# Altium PCB Dashcam.PcbDoc (part 5 of 6) (continued)
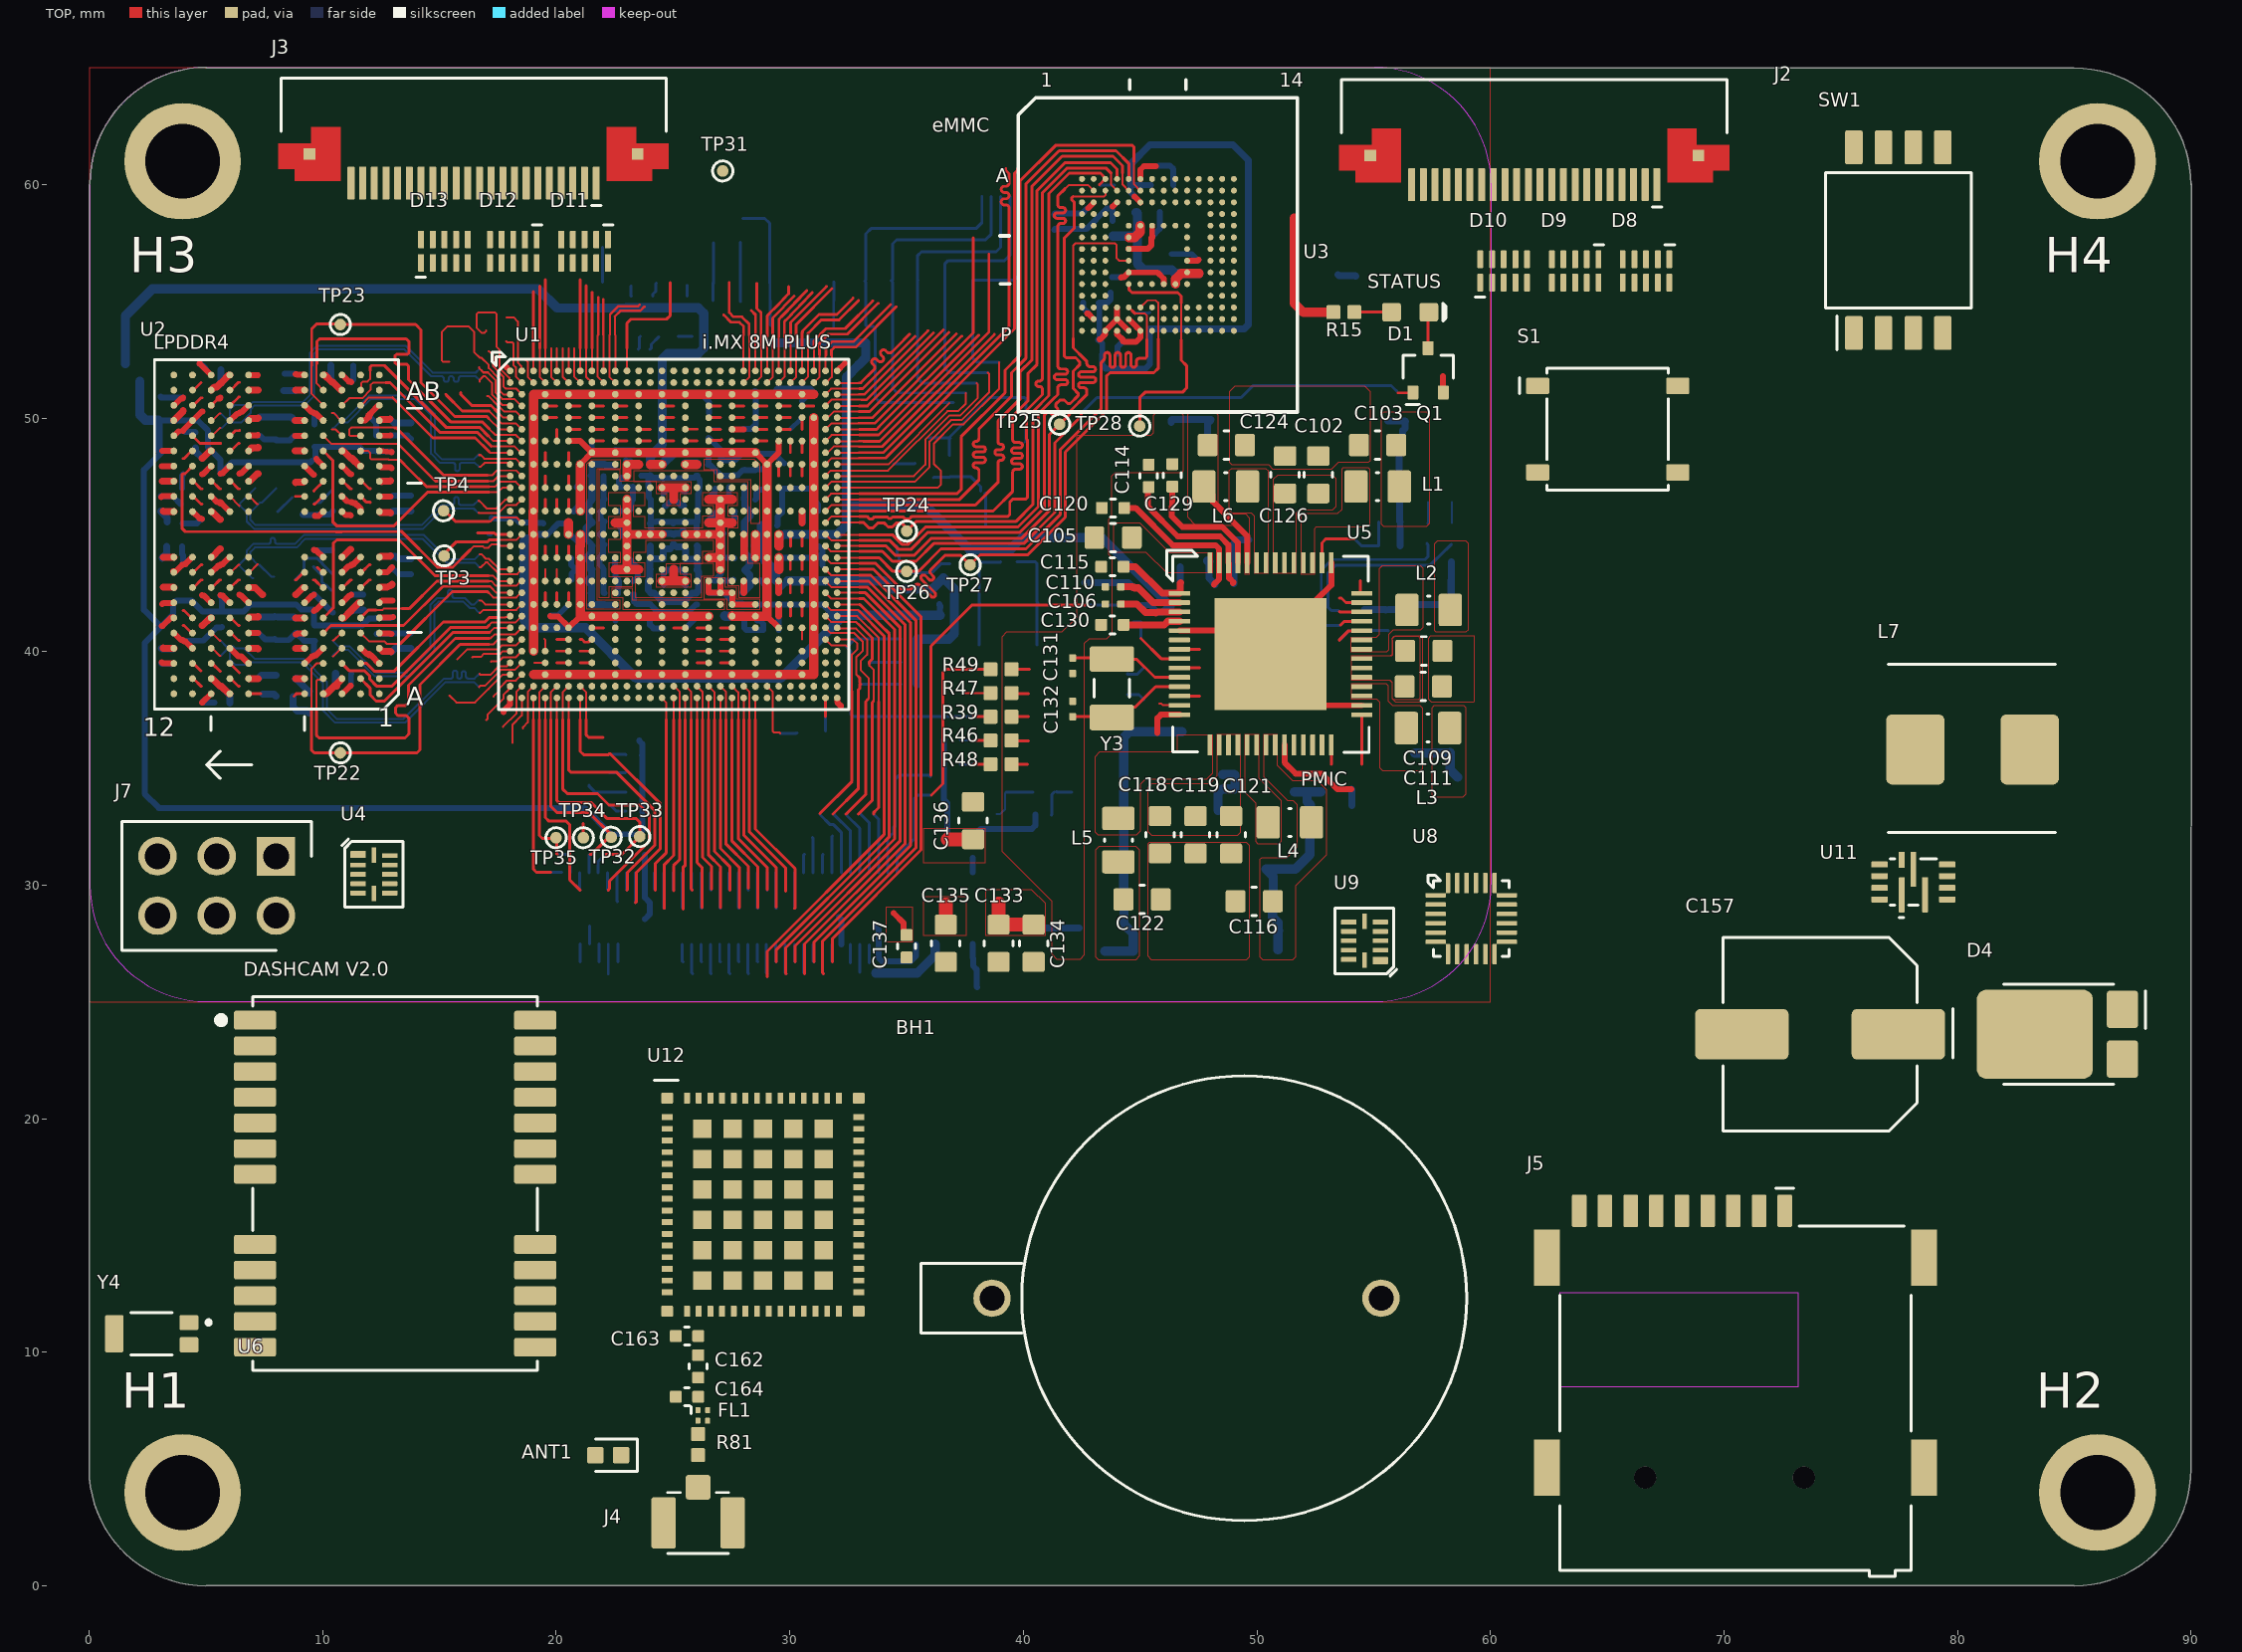
[diagram p0: TOP view]
## Nets (pads, with @x,y where several pads share a name; then routed paths per layer and width w, separated by ;. In a path a pad name is that pad's centre, name@x,y a point inside that pad or via, vN(x,y) a via of type N, cw(c..) or ccw(c..) an arc to the next point about the centre after c; other vN are vias at no path point) (continued)
  TOP w0.127: 4.428,38.85 4.465,38.85 4.799,38.516 4.812,38.516 ; 4.428,39.5 4.465,39.5 4.786,39.179 ; 4.465,51.2 4.786,51.521 ; 5.228,39.5 5.272,39.5 5.597,39.175 5.628,39.175 ; 5.238,50.55 5.534,50.846 ; 6.828,38.2 7.338,38.2 ; 8.772,38.104 8.868,38.2 9.228,38.2 ; 11.628,46.65 11.877,46.4 12.026,46.4 12.04,46.387 ; 31.293,33.077 32.664,34.449 32.664,38.312
  TOP w0.254: 3.085,46.619 3.123,46.657 3.621,46.657 3.628,46.65 ; 3.11,39.557 3.11,39.548 3.155,39.503 3.625,39.503 3.628,39.5 ; 3.11,41.107 3.151,41.107 3.507,41.462 3.593,41.462 ; 3.109,47.94 3.114,47.945 3.623,47.945 3.628,47.95 ; 3.135,42.047 3.181,42.093 3.621,42.093 3.628,42.1 ; 3.136,48.6 3.628,48.6 ; 3.593,43.444 3.705,43.444 3.987,43.725 4.028,43.725 4.057,43.754 4.122,43.754 4.418,44.05 4.428,44.05 ; 3.628,40.8 3.638,40.8 3.934,40.504 3.999,40.504 4.028,40.475 4.057,40.446 4.122,40.446 4.418,40.15 4.428,40.15 ; 3.628,49.25 3.638,49.25 3.822,49.434 ; 3.628,50.55 3.638,50.55 3.934,50.846 3.999,50.846 4.028,50.875 ; 4.024,49.463 4.024,49.486 4.428,49.89 4.428,49.9 4.438,49.9 4.83,50.292 4.859,50.292 ; 4.428,46 4.438,46 4.734,45.704 4.799,45.704 4.828,45.675 ; 4.724,52.33 4.737,52.33 5.217,51.85 5.228,51.85 ; 4.828,42.425 4.857,42.396 4.921,42.396 5.217,42.1 5.228,42.1 ; 4.828,47.594 4.861,47.594 5.217,47.95 5.228,47.95 ; 4.837,37.83 4.848,37.83 5.217,38.2 5.228,38.2 ; 5.228,43.4 5.238,43.4 5.517,43.679 5.599,43.679 5.628,43.708 ; 5.228,46.65 5.238,46.65 5.485,46.403 5.618,46.403 5.647,46.374 ; 5.228,50.55 5.238,50.55 ; 5.534,50.846 5.599,50.846 5.628,50.875 ; 5.613,46.34 5.685,46.34 6.024,46 6.028,46 ; 5.628,42.425 5.657,42.396 5.722,42.396 6.017,42.1 6.028,42.1 ; 5.628,43.725 5.657,43.754 5.722,43.754 6.018,44.05 6.028,44.05 ; 5.628,47.625 5.657,47.654 5.722,47.654 6.017,47.95 6.028,47.95 ; 6.028,40.15 6.038,40.15 6.393,39.796 6.428,39.796 ; 6.028,49.9 6.038,49.9 6.328,50.19 6.395,50.19 6.424,50.219 ; 6.428,42.443 6.457,42.414 6.504,42.414 6.818,42.1 6.828,42.1 ; 6.428,47.625 6.457,47.654 6.522,47.654 6.818,47.95 6.828,47.95 ; 6.428,50.225 6.457,50.254 6.522,50.254 6.818,50.55 6.828,50.55 ; 6.457,39.796 6.522,39.796 6.818,39.5 6.828,39.5 ; 6.828,40.8 6.831,40.803 7.231,40.803 7.234,40.807 ; 6.828,49.25 6.835,49.257 7.204,49.257 7.228,49.281 ; 6.828,51.85 7.228,51.85 ; 8.81,49.25 9.228,49.25 ; 8.828,40.736 8.869,40.736 8.926,40.793 9.22,40.793 9.228,40.8 ; 8.828,51.892 8.869,51.892 8.903,51.857 9.22,51.857 9.228,51.85 ; 9.228,39.5 9.238,39.5 9.538,39.8 9.597,39.8 9.627,39.829 ; 9.228,42.1 9.238,42.1 9.552,42.414 9.599,42.414 9.628,42.443 ; 9.228,47.95 9.238,47.95 9.614,47.574 9.626,47.574 ; 9.228,50.55 9.238,50.55 9.534,50.254 9.599,50.254 9.628,50.225 9.657,50.196 9.722,50.196 10.018,49.9 10.028,49.9 ; 9.628,39.825 9.657,39.854 9.722,39.854 10.018,40.15 10.028,40.15 ; 9.628,41.752 9.657,41.781 9.699,41.781 10.018,42.1 10.028,42.1 ; 9.628,44.368 9.657,44.339 9.728,44.339 10.018,44.05 10.028,44.05 ; 9.662,45.824 9.677,45.809 9.827,45.809 10.017,46 10.028,46 ; 9.727,48.265 9.727,48.258 10.028,47.957 10.028,47.95 ; 10.82,46.666 10.822,46.666 11.043,46.446 ; 10.828,38.2 10.838,38.2 11.18,38.541 11.213,38.541 ; 10.828,42.1 10.838,42.1 11.152,42.414 11.199,42.414 11.228,42.443 ; 10.828,43.4 10.838,43.4 11.109,43.67 11.199,43.67 11.228,43.699 ; 10.828,46 10.838,46 10.984,45.854 11.188,45.854 11.21,45.832 ; 10.828,47.95 10.838,47.95 11.194,47.594 11.227,47.594 ; 10.828,51.85 10.838,51.85 11.123,51.565 11.199,51.565 11.228,51.536 ; 11.202,46.417 11.243,46.417 11.299,46.361 11.389,46.361 11.473,46.277 11.484,46.277 11.633,46.128 11.633,46.031 ; 11.228,43.725 11.257,43.754 11.322,43.754 11.618,44.05 11.628,44.05 ; 11.628,40.15 11.638,40.15 11.887,39.901 12,39.901 12.029,39.872 ; 11.628,49.9 11.635,49.907 11.825,49.907 11.959,50.042 12,50.042 ; 11.941,50.1 12.012,50.171 12.054,50.171 ; 11.999,39.854 12.059,39.854 12.432,39.481 ; 12.069,50.225 12.411,50.567 ; 12.428,40.8 12.435,40.793 12.865,40.793 12.903,40.754 12.944,40.754 ; 12.428,42.1 12.438,42.1 12.537,42.199 12.981,42.199 12.991,42.189 ; 12.428,43.4 12.435,43.407 12.761,43.407 12.965,43.611 ; 12.428,48.6 12.94,48.549 12.943,48.552 12.943,48.564 ; 12.428,49.25 12.43,49.253 12.895,49.253 12.897,49.255 ; 12.457,46.644 12.904,46.644 12.914,46.634 ; 12.457,47.939 12.504,47.892 12.906,47.892 12.94,47.858
  TOP w0.3: 3.135,47.304 3.624,47.304 3.628,47.3 ; 3.161,40.167 3.178,40.15 3.628,40.15 ; 3.161,42.758 3.62,42.758 3.628,42.75 ; 3.161,44.048 3.626,44.048 3.628,44.05 ; 3.161,46.034 3.195,46 3.628,46 ; 3.628,49.9 3.628,49.903 4.032,50.307 4.032,50.335 ; 4.828,41.125 4.856,41.125 5.181,41.45 5.228,41.45 ; 4.828,48.285 4.856,48.285 5.172,48.6 5.228,48.6 ; 5.228,38.85 5.274,38.85 5.599,38.525 5.628,38.525 ; 5.228,44.05 5.25,44.05 5.599,44.399 5.628,44.399 ; 5.228,46 5.262,46 5.599,45.664 5.628,45.664 ; 5.228,51.2 5.356,51.328 5.46,51.328 5.628,51.496 5.657,51.496 ; 5.65,38.516 5.665,38.516 5.981,38.2 6.028,38.2 ; 5.656,51.525 5.981,51.85 6.028,51.85 ; 6.828,38.85 7.228,38.85 ; 6.828,40.15 6.842,40.136 7.207,40.136 7.228,40.116 ; 6.828,41.45 6.856,41.478 7.208,41.478 7.228,41.498 ; 6.828,42.75 7.107,42.75 7.406,42.451 7.435,42.451 ; 6.828,47.3 6.874,47.3 7.199,47.625 7.228,47.625 ; 6.828,48.6 6.95,48.722 7.208,48.722 7.228,48.742 ; 6.828,49.9 6.914,49.986 7.225,49.986 7.246,50.006 ; 6.828,51.2 7.228,51.2 ; 8.81,48.6 9.228,48.6 ; 8.81,49.9 9.228,49.9 ; 8.828,38.85 9.228,38.85 ; 8.828,40.15 9.228,40.15 ; 8.828,41.452 8.83,41.45 9.228,41.45 ; 8.828,47.238 8.848,47.259 9.186,47.259 9.228,47.3 ; 8.828,51.2 9.228,51.2 ; 8.83,42.454 8.859,42.454 9.155,42.75 9.228,42.75 ; 10.028,38.2 10.167,38.2 10.523,38.556 10.552,38.556 ; 10.028,51.85 10.085,51.85 10.399,51.536 10.428,51.536 ; 10.428,51.525 10.456,51.525 10.781,51.2 10.828,51.2 ; 10.601,38.536 10.578,38.559 10.578,38.6 10.828,38.85 ; 10.828,41.45 10.897,41.45 11.199,41.752 11.228,41.752 ; 10.828,44.05 10.838,44.05 11.178,44.39 11.207,44.39 ; 10.828,48.6 10.884,48.6 11.199,48.285 11.227,48.285 ; 11.228,41.775 11.553,42.1 11.628,42.1 ; 11.228,48.275 11.256,48.275 11.581,47.95 11.628,47.95 ; 12.428,40.15 12.558,40.02 12.911,40.02 12.932,39.999 ; 12.428,42.75 12.441,42.763 12.729,42.763 12.965,42.87 12.965,42.9 ; 12.428,44.05 12.472,44.094 12.887,44.094 12.908,44.114 ; 12.428,46 12.465,45.963 12.894,45.963 12.914,45.943 ; 12.433,49.895 12.484,49.946 12.869,49.946 12.889,49.967 ; 12.513,47.284 12.534,47.305 12.894,47.305 12.914,47.325
  BOTTOM w0.127: 19.814,30.562 20.225,30.562 20.228,30.565 ; 20.041,31.332 20.049,31.324 20.526,31.324 20.6,31.249 20.6,30.54 ; 21,30.54 21,29.833 21.034,29.8 ; 21.034,26.72 21.034,27.479 ; 21.4,30.54 21.4,31.284 21.44,31.324 ; 21.422,27.491 21.422,28.25 ; 21.8,30.54 21.8,31.023 22.1,31.324 22.126,31.324 ; 21.834,26.72 21.834,27.479 ; 25,30.54 25,29.827 25.027,29.8 ; 25.4,27.46 25.4,26.747 25.427,26.72 ; 25.4,30.54 25.4,29.04 25.428,29.012 ; 25.8,27.46 25.8,26.253 25.834,26.218 ; 25.8,30.54 25.8,29.827 25.827,29.8 ; 26.2,27.46 26.2,26.747 26.227,26.72 ; 26.2,30.54 26.2,29.04 26.228,29.012 ; 26.6,27.46 26.6,26.253 26.634,26.218 ; 26.6,30.54 26.6,29.827 26.627,29.8 ; 27,27.46 27,26.747 27.027,26.72 ; 27,30.54 27,29.04 27.028,29.012 ; 27.4,27.46 27.4,26.253 27.434,26.218 ; 27.4,30.54 27.4,29.827 27.427,29.8 ; 27.8,27.46 27.8,26.747 27.827,26.72 ; 27.8,30.54 27.8,29.04 27.828,29.012 ; 28.2,27.46 28.2,26.253 28.234,26.218 ; 28.2,30.54 28.2,29.827 28.227,29.8 ; 29.593,36.505 30.279,36.505 30.305,36.531 ; 30.964,32.054 30.995,32.023 30.995,30.545 31,30.54 ; 31,27.46 31,26.747 31.027,26.72 ; 31.293,33.026 31.725,32.595 31.877,32.595 32.2,32.272 32.2,30.54 ; 31.4,27.46 31.4,26.253 31.434,26.218 ; 31.4,30.54 31.4,31.302 31.428,31.33 ; 31.8,27.46 31.8,26.747 31.827,26.72 ; 31.8,30.54 31.8,32.09 31.828,32.118 ; 31.902,33.052 31.902,33.02 32.6,32.322 32.6,30.54 ; 32.448,33.052 32.448,32.989 33,32.438 33,30.54 ; 32.588,26.676 32.594,26.682 32.594,27.454 32.6,27.46 ; 33,26.27 33,27.46 ; 33.026,33.052 33.401,32.677 33.401,30.541 33.4,30.54 ; 33.394,26.682 33.394,27.454 ; 33.604,33.052 33.604,33.034 33.8,32.838 33.8,30.54 ; 34.6,30.54 34.595,30.545 34.595,31.248 35.331,31.985 35.331,33.712 35.484,33.865 36.017,33.865
  BOTTOM w0.254: 32.106,28.632 32.2,28.538 32.2,27.46 ; 33.655,28.251 33.8,28.106 33.8,27.46 33.8,26.905 33.952,26.753 35.179,26.753 35.4,26.974 35.4,27.46 ; 37.828,27.485 37.828,26.898 37.846,26.88 37.846,26.549 38,26.395 38,25.659 38.024,25.635 ; 37.83,30.553 37.83,31.175 37.832,31.178
  BOTTOM w0.4: 33.68,26.245 33.719,26.245 35.462,26.245 36.228,27.011 36.228,27.485

## Polygon pours and split planes (outlines as drawn)
GND on TOP "NONET_L-01_P-001" (solid, remove dead copper, shelved, pour order 106): 0,25 60,25 60,65 0,65
VDDA_1V8 on TOP "NONET_L-01_P-001" (solid, remove dead copper, shelved, pour order 49): 26.317,48.24 26.317,47.808 26.876,47.808 26.876,47.377 28.323,47.377 28.323,45.497 28.73,45.497 28.73,48.012 28.501,48.24
VDDA_1V8 on TOP "NONET_L-01_P-001" (solid, shelved, pour order 48): 26.317,43.16 26.317,42.271 27.307,42.271 27.307,41.814 28.73,41.814 28.73,42.246 27.714,42.246 27.714,42.754 27.231,42.754 27.231,43.16
VDD_1V8 on TOP "NONET_L-01_P-001" (solid, remove dead copper, shelved, pour order 47): 22.38,42.703 22.38,42.322 22.837,42.322 22.837,41.814 27.206,41.814 27.206,42.195 23.269,42.195 23.269,42.703
NVCC_DRAM_1V1 on TOP "NONET_L-01_P-001" (solid, remove dead copper, shelved, pour order 46): 22.735,48.24 22.735,47.834 21.745,47.834 21.745,42.22 22.71,42.22 22.71,41.814 21.313,41.814 21.313,48.037 21.516,48.24
VDD_ARM on TOP "NONET_L-01_P-001" (solid, remove dead copper, shelved, pour order 45): 23.294,44.252 23.294,43.821 23.777,43.821 23.777,43.211 23.37,43.211 23.37,42.322 26.241,42.322 26.241,43.236 26.749,43.236 26.749,43.77 25.301,43.77 25.301,43.338 25.758,43.338 25.758,42.754 24.285,42.754 24.285,43.338 24.717,43.338 24.717,43.77 26.266,43.77 26.266,44.303 26.749,44.303 26.749,44.76 23.828,44.76 23.828,44.252
VDD_SOC on TOP "NONET_L-01_P-001" (solid, remove dead copper, shelved, pour order 43): 21.821,47.783 21.821,42.322 22.278,42.322 22.278,42.805 23.269,42.805 23.269,43.211 22.278,43.211 22.278,43.821 22.761,43.821 22.761,44.252 22.253,44.252 22.253,44.811 22.761,44.811 22.761,45.268 22.253,45.268 22.253,45.802 22.761,45.802 22.761,46.259 22.253,46.259 22.253,46.818 23.777,46.818 23.777,46.259 23.294,46.259 23.294,45.802 23.777,45.802 23.777,45.319 26.266,45.319 26.266,45.827 26.749,45.827 26.749,46.259 26.266,46.259 26.266,46.818 27.739,46.818 27.739,46.259 27.333,46.259 27.333,45.827 27.765,45.827 27.765,45.294 27.333,45.294 27.333,42.83 27.815,42.83 27.815,42.322 28.73,42.322 28.73,43.77 28.222,43.77 28.222,47.275 26.774,47.275 26.774,47.732 23.32,47.732 23.32,47.3 25.758,47.3 25.758,46.767 25.301,46.767 25.301,46.259 24.742,46.259 24.742,46.767 24.285,46.767 24.285,47.3 22.735,47.3 22.735,47.783
VDD_1V8 on TOP "NONET_L-01_P-001" (solid, remove dead copper, shelved, pour order 36): 35.715,32.416 35.715,30.968 38.382,30.968 38.382,32.416 38.356,32.416
VSYS_5V on TOP "NONET_L-01_P-001" (solid, remove dead copper, shelved, pour order 30): 38.382,27.869 40.947,27.869 40.947,29.216 40.363,29.8 38.382,29.8
VDD_3V3 on TOP "NONET_L-01_P-001" (solid, remove dead copper, shelved, pour order 29): 35.715,27.869 37.569,27.869 37.569,29.495 35.715,29.495
VSD_3V3 on TOP "NONET_L-01_P-001" (solid, remove dead copper, shelved, pour order 27): 34.115,29.063 34.115,27.59 35.258,27.59 35.258,29.063
GND on TOP "NONET_L-01_P-001" (solid, remove dead copper, shelved, pour order 25): 46.84,47.732 46.764,47.656 43.919,47.656 43.767,47.504 43.767,45.776 43.64,45.649 43.64,44.176 43.792,44.024 43.792,40.773 43.563,40.544 42.801,40.544 42.598,40.341 42.598,27.006 42.42,26.828 41.455,26.828 41.227,27.057 41.227,29.317 39.093,31.451 39.093,40.646 39.296,40.849 41.658,40.849 42.293,41.484 42.293,49.282 45.468,49.282 45.57,49.383 45.57,50.12 45.697,50.247 46.738,50.247 46.84,50.145
GND on TOP "NONET_L-01_P-001" (solid, remove dead copper, shelved, pour order 24): 48.821,48.113 48.923,48.012 50.498,48.012 50.675,47.834 53.215,47.834 53.495,48.113 54.79,48.113 54.866,48.189 54.866,51.136 54.638,51.364 49.05,51.364 48.821,51.136
VSYS_5V on TOP "NONET_L-01_P-001" (solid, remove dead copper, shelved, pour order 20): 48.085,44.252 48.085,43.363 46.154,43.363 45.265,44.252 43.995,44.252 43.868,44.379 43.868,45.421 43.97,45.522 44.986,45.522 46.256,44.252
NVCC_DRAM_1V1 on TOP "NONET_L-01_P-001" (solid, remove dead copper, shelved, pour order 19): 47.018,45.776 47.373,45.421 48.974,45.421 49.482,44.913 49.482,43.338 49.685,43.338 49.685,45.726 49.532,45.878 48.516,45.878 48.339,46.056 48.339,50.12 48.212,50.247 47.119,50.247 47.018,50.145
NetL6_1 on TOP "NONET_L-01_P-001" (solid, remove dead copper, shelved, pour order 18): 50.498,43.363 50.498,47.732 50.396,47.834 48.897,47.834 48.796,47.732 48.796,46.081 48.923,45.954 49.761,45.954 49.888,45.827 49.888,43.363
VSYS_5V on TOP "NONET_L-01_P-001" (solid, remove dead copper, shelved, pour order 16): 50.701,43.363 51.691,43.363 51.691,45.954 51.818,46.081 53.241,46.081 53.393,46.234 53.393,47.402 53.241,47.554 50.879,47.554 50.701,47.377
VDD_ARM on TOP "NONET_L-01_P-001" (solid, remove dead copper, shelved, pour order 15): 55.324,45.472 55.425,45.37 57.279,45.37 57.406,45.497 57.406,50.12 57.279,50.247 55.425,50.247 55.324,50.145
NetL1_1 on TOP "NONET_L-01_P-001" (solid, remove dead copper, shelved, pour order 14): 52.479,43.338 52.479,45.268 52.555,45.345 54.739,45.345 54.841,45.446 54.841,47.808 54.79,47.859 53.673,47.859 53.622,47.808 53.622,46.081 53.444,45.903 51.996,45.903 51.895,45.802 51.895,43.338
VDD_SOC on TOP "NONET_L-01_P-001" (solid, remove dead copper, shelved, pour order 13): 59.063,44.633 58.962,44.735 57.717,44.735 57.59,44.608 57.59,40.925 57.666,40.849 58.962,40.849 59.063,40.95 59.063,41.001
NetL2_1 on TOP "NONET_L-01_P-001" (solid, remove dead copper, shelved, pour order 12): 54.028,39.985 54.028,40.62 55.12,40.62 55.247,40.747 55.247,43.567 55.374,43.694 57,43.694 57.102,43.592 57.102,41.027 57,40.925 55.832,40.925 55.628,40.722 55.628,40.061 55.552,39.985
GND on TOP "NONET_L-01_P-001" (solid, remove dead copper, shelved, pour order 11): 57.33,40.569 57.33,37.979 57.457,37.852 59.286,37.852 59.311,37.877 59.311,40.671 57.432,40.671
VSYS_5V on TOP "NONET_L-01_P-001" (solid, remove dead copper, shelved, pour order 10): 54.028,39.807 54.028,38.791 55.679,38.791 55.781,38.69 55.781,38.004 55.933,37.852 57,37.852 57.102,37.953 57.102,40.569 57,40.671 55.908,40.671 55.781,40.544 55.781,39.871 55.696,39.807 55.654,39.807
VSYS_5V on TOP "NONET_L-01_P-001" (solid, remove dead copper, shelved, pour order 9): 54.028,39.807 54.028,38.791 55.705,38.791 55.781,38.715 55.781,38.029 55.857,37.953 56.924,37.953 57,38.029 57,40.569 56.924,40.646 55.857,40.646 55.755,40.544 55.806,40.493 55.806,39.858 55.755,39.807
VDD_SOC on TOP "NONET_L-01_P-001" (solid, remove dead copper, shelved, pour order 8): 57.483,33.889 57.584,33.788 58.829,33.788 58.956,33.915 58.956,37.598 58.88,37.674 57.584,37.674 57.483,37.572 57.483,37.521
NetL3_1 on TOP "NONET_L-01_P-001" (solid, remove dead copper, shelved, pour order 7): 54.028,38.614 54.028,37.979 55.12,37.979 55.247,37.852 55.247,35.032 55.374,34.905 57,34.905 57.102,35.007 57.102,37.572 57,37.674 55.832,37.674 55.628,37.877 55.628,38.537 55.552,38.614
VDD_3V3 on TOP "NONET_L-01_P-001" (solid, remove dead copper, shelved, pour order 5): 50.294,36.455 50.294,34.651 51.31,33.635 51.539,33.635 51.717,33.457 51.717,31.629 51.26,31.171 50.193,31.171 50.117,31.095 50.117,26.955 50.244,26.828 51.539,26.828 51.666,26.955 51.666,30.003 52.987,31.324 52.987,34.092 52.606,34.473 51.539,34.473 50.879,35.134 50.879,36.455
NetL4_1 on TOP "NONET_L-01_P-001" (solid, remove dead copper, shelved, pour order 4): 49.482,36.455 49.482,33.991 49.939,33.534 49.939,31.883 50.04,31.781 50.955,31.781 51.056,31.883 51.056,33.61 50.091,34.575 50.091,36.455
GND on TOP "NONET_L-01_P-001" (solid, remove dead copper, shelved, pour order 3): 45.316,26.98 45.468,26.828 49.558,26.828 49.685,26.955 49.685,31.705 49.558,31.832 45.392,31.832 45.316,31.756
VDD_1V8 on TOP "NONET_L-01_P-001" (solid, remove dead copper, shelved, pour order 2): 43.081,26.955 43.208,26.828 44.833,26.828 44.986,26.98 44.986,31.502 44.833,31.654 43.233,31.654 43.081,31.502
VSYS_5V on TOP "NONET_L-01_P-001" (solid, remove dead copper, shelved, pour order 1): 48.288,36.455 48.288,34.677 47.958,34.346 45.494,34.346 45.316,34.169 45.316,32.314 45.494,32.137 49.177,32.137 49.304,32.264 49.304,35.235 49.304,36.455
NetL5_1 on TOP "NONET_L-01_P-001" (solid, remove dead copper, shelved, pour order 0): 48.085,36.455 48.085,34.778 47.831,34.524 45.214,34.524 45.011,34.321 45.011,32.314 44.833,32.137 43.208,32.137 43.081,32.264 43.081,35.515 43.284,35.718 46.611,35.718 46.611,36.455
VSD_3V3 on BOTTOM "NONET_L-01_P-001" (solid, remove dead copper, shelved, pour order 26): 34.115,28.987 34.115,27.133 35.156,27.133 35.156,28.987
VDD_3V3 on BOTTOM "NONET_L-01_P-001" (solid, remove dead copper, shelved, pour order 28): 35.715,29.368 35.715,27.133 37.544,27.133 37.544,29.368
VSYS_5V on BOTTOM "NONET_L-01_P-001" (solid, remove dead copper, shelved, pour order 31): 38.128,30.917 38.128,27.133 40.922,27.133 40.922,30.917
VDD_1V8 on BOTTOM "NONET_L-01_P-001" (solid, remove dead copper, shelved, pour order 35): 35.715,32.416 35.715,29.419 37.544,29.419 37.544,32.416
GND on BOTTOM "NONET_L-01_P-001" (solid, remove dead copper, shelved, pour order 70): 24.167,48.93 23.582,48.346 23.303,48.346 23.227,48.422 21.169,48.422 21.169,42.859 18.782,42.859 18.782,51.394 24.167,51.394
GND on BOTTOM "NONET_L06_P115" (solid, remove dead copper, shelved, pour order 115): 0,25 60,25 60,65 0,65
VDDA_1V8 on BOTTOM "NONET_L-01_P-001" (solid, shelved, pour order 76): 31.685,40.904 31.71,40.929 36.663,40.929 36.663,42.224 31.685,42.224
GND on BOTTOM "NONET_L-01_P-001" (solid, remove dead copper, shelved, pour order 75): 29.45,43.85 30.821,43.85 30.821,43.444 31.837,43.444 31.837,44.714 30.821,44.714 30.847,44.688 30.847,44.206 29.45,44.206
VDD_SOC on BOTTOM "NONET_L-01_P-001" (solid, remove dead copper, shelved, pour order 63): 23.557,47.711 23.557,45.323 23.786,45.323 23.786,44.841 24.268,44.841 24.268,45.399 25.792,45.399 25.792,44.866 26.173,44.866 26.173,46.695 26.453,46.974 26.453,47.685 23.582,47.685
GND on BOTTOM "NONET_L-01_P-001" (solid, remove dead copper, shelved, pour order 61): 24.421,47.177 24.421,45.882 25.716,45.882 25.716,47.177
GND on BOTTOM "NONET_L-01_P-001" (solid, remove dead copper, shelved, pour order 74): 24.929,48.778 24.344,48.193 24.344,47.812 24.852,47.812 24.878,47.838 24.878,48.066 25.589,48.778 26.732,48.778 26.91,48.6 26.91,48.066 26.961,48.016 27.723,48.016 28.002,48.295 29.297,48.295 29.399,48.193 29.399,45.882 29.196,45.679 29.196,44.129 29.501,43.825 30.872,43.825 30.872,43.418 31.812,43.418 31.812,51.445 24.929,51.445
VDD_1V8 on BOTTOM "NONET_L-01_P-001" (solid, remove dead copper, shelved, pour order 73): 29.272,39.557 30.999,41.285 30.999,41.564 30.771,41.793 29.272,41.793
VDD_1V8 on BOTTOM "NONET_L-01_P-001" (solid, remove dead copper, shelved, pour order 72): 22.973,42.224 22.795,42.224 22.795,41.767 24.167,41.767 24.395,41.539 25.691,41.539 26.021,41.869 26.402,41.869 26.402,42.25 25.995,42.25 25.614,41.869 24.421,41.869 24.014,42.275 23.684,42.275 23.684,42.707 22.973,42.707
GND on BOTTOM "NONET_L-01_P-001" (solid, remove dead copper, shelved, pour order 71): 19.62,41.361 21.881,41.361 23.735,39.507 29.196,39.507 29.196,42.809 29.069,42.936 29.069,43.291 28.586,43.291 28.586,41.615 21.068,41.615 21.068,42.275 19.62,42.275
GND on BOTTOM "NONET_L-01_P-001" (solid, remove dead copper, shelved, pour order 69): 22.363,47.711 22.363,42.326 22.922,42.326 22.922,42.834 23.633,42.834 23.633,45.145 23.43,45.145 23.43,47.203 23.201,47.203 23.201,47.711
VDD_SOC on BOTTOM "NONET_L-01_P-001" (solid, remove dead copper, shelved, pour order 68): 21.83,46.187 21.728,46.187 21.728,45.704 21.83,45.603 21.83,44.282 21.703,44.155 21.703,43.698 21.855,43.545 21.855,42.351 22.236,42.351 22.236,44.206 22.287,44.256 22.287,47.736 21.83,47.736
VDDA_1V8 on BOTTOM "NONET_L-01_P-001" (solid, remove dead copper, shelved, pour order 67): 26.376,48.676 26.376,47.838 26.58,47.838 26.605,47.812 26.605,47.381 28.358,47.381 28.358,46.339 28.739,46.339 28.739,45.831 29.196,45.831 29.196,47.838 29.247,47.889 29.247,48.219 28.104,48.219 27.773,47.889 26.961,47.889 26.757,48.092 26.757,48.6 26.681,48.676
VDDA_1V8 on BOTTOM "NONET_L-01_P-001" (solid, remove dead copper, shelved, pour order 66): 26.478,42.732 26.478,41.869 30.796,41.869 31.152,41.513 31.152,41.412 29.094,39.354 23.684,39.354 21.779,41.259 19.29,41.259 19.087,41.462 19.087,44.536 19.391,44.841 19.747,44.841 20.204,45.298 20.738,45.298 20.738,45.73 20.026,45.73 19.874,45.577 19.874,45.476 19.595,45.196 18.782,45.196 18.502,44.917 18.502,41.056 18.833,40.726 20.992,40.726 23.303,38.414 29.475,38.414 31.99,40.929 31.99,41.92 31.685,42.224 27.748,42.224 27.748,42.732
VDD_ARM on BOTTOM "NONET_L-01_P-001" (solid, remove dead copper, shelved, pour order 65): 23.786,44.714 23.786,42.326 24.116,42.326 24.421,42.021 24.421,41.996 25.691,41.996 25.691,42.148 25.868,42.326 25.868,42.351 26.224,42.351 26.224,44.714
VDD_SOC on BOTTOM "NONET_L-01_P-001" (solid, remove dead copper, shelved, pour order 60): 27.799,47.254 27.799,46.263 27.9,46.263 27.9,42.326 28.459,42.326 28.459,44.18 28.281,44.18 28.281,44.764 28.434,44.764 28.434,46.187 28.205,46.187 28.205,47.254
GND on BOTTOM "NONET_L-01_P-001" (solid, shelved, pour order 59): 26.605,46.898 26.326,46.619 26.326,46.415 26.554,46.187 26.554,45.857 26.326,45.628 26.326,44.815 26.478,44.815 26.478,42.885 27.799,42.885 27.799,44.18 27.494,44.18 27.494,45.298 27.748,45.298 27.748,45.857 27.799,45.857 27.799,46.161 27.697,46.161 27.697,46.644 27.646,46.695 27.646,47.254 26.605,47.254
GND on L4_POWER "NONET_L-01_P-001" (solid, remove dead copper, shelved, pour order 109): 0,25 60,25 60,65 0,65
VDD_1V8 on L4_POWER "NONET_L-01_P-001" (solid, shelved, pour order 58): 34.673,29.241 22.735,29.241 22.735,32.416 34.673,32.416
VDD_1V8 on L4_POWER "NONET_L-01_P-001" (solid, shelved, pour order 57): 22.301,35.922 22.302,35.921 24.285,35.921 24.285,42.246 22.301,42.246
NVCC_DRAM_1V1 on L4_POWER "NONET_L-01_P-001" (solid, shelved, pour order 56): 44.021,50.272 44.021,47.478 43.462,47.478 43.386,47.402 43.386,43.516 37.899,43.516 37.899,32.772 1.679,32.772 1.679,36.251 22.71,36.251 22.71,35.642 33.276,35.642 33.276,50.272
VDD_ARM on L4_POWER "NONET_L-01_P-001" (solid, remove dead copper, shelved, pour order 53): 23.777,44.71 23.777,42.322 24.361,42.322 24.361,35.921 33.048,35.921 33.048,50.399 48.796,50.399 48.796,50.247 55.324,50.247 55.324,49.79 56.467,49.79 56.467,54.006 28.298,54.006 28.298,42.144 25.733,42.144 25.733,42.322 26.241,42.322 26.241,43.186 27.231,43.186 27.231,44.71
VDD_ARM on L4_POWER "NONET_L-01_P-001" (solid, remove dead copper, shelved, pour order 39): 56.467,50.272 56.467,45.98 48.796,45.98 48.796,50.272
NVCC_DRAM_1V1 on L4_POWER "NONET_L-01_P-001" (solid, remove dead copper, shelved, pour order 55): 21.694,42.195 22.301,42.195 22.301,35.947 1.679,35.947 1.679,53.574 1.679,53.955 21.694,53.955
VDD_SOC on L4_POWER "NONET_L-01_P-001" (solid, remove dead copper, shelved, pour order 51): 21.821,42.322 23.675,42.322 23.675,44.811 27.333,44.811 27.333,42.322 28.73,42.322 28.73,44.125 28.222,44.125 28.222,54.158 56.619,54.158 56.619,50.196 59.032,50.196 59.032,57.892 21.821,57.892
VDDA_1V8 on L4_POWER "NONET_L-01_P-001" (solid, remove dead copper, shelved, pour order 42): 48.491,42.83 36.197,42.83 36.197,40.976 49.532,40.976 49.558,41.001 49.558,43.414 48.491,43.414
NVCC_DRAM_1V1 on L4_POWER "NONET_L-01_P-001" (solid, remove dead copper, shelved, pour order 41): 43.767,50.272 48.694,50.272 48.694,45.98 47.145,45.98 47.145,47.377 46.484,47.377 46.459,47.402 43.767,47.402
VDD_SOC on L4_POWER "NONET_L-01_P-001" (solid, remove dead copper, shelved, pour order 38): 53.749,33.127 59.032,33.127 59.032,50.272 56.594,50.272 56.594,45.853 55.832,45.853 55.832,35.566 55.806,35.54 53.749,35.54
VDD_1V8 on L4_POWER "NONET_L-01_P-001" (solid, remove dead copper, shelved, pour order 37): 49.939,26.396 34.648,26.396 34.648,32.416 38.001,32.416 37.95,32.365 37.95,29.749 35.639,29.749 35.639,27.565 49.939,27.565
VDD_3V3 on L4_POWER "NONET_L-01_P-001" (solid, remove dead copper, shelved, pour order 33): 49.431,35.54 49.431,32.035 42.725,32.035 42.725,28.809 37.95,28.809 37.95,29.673 35.715,29.673 35.715,27.641 50.066,27.641 50.066,26.853 51.158,26.853 51.514,27.209 51.514,30.994 53.647,33.127 53.647,35.54
VSYS_5V on L4_POWER "NONET_L-01_P-001" (solid, remove dead copper, shelved, pour order 32): 38.102,28.936 42.598,28.936 42.598,32.162 49.304,32.162 49.304,35.642 55.755,35.642 55.755,45.853 47.018,45.853 47.018,47.3 43.767,47.3 43.767,43.49 49.659,43.49 49.659,40.925 49.634,40.9 38.102,40.9
GND on L3_IN1 "NONET_L03_P114" (solid, remove dead copper, shelved, pour order 114): 0,25 60,25 60,65 0,65
GND on L5_GND_2 "NONET_L-01_P-001" (solid, remove dead copper, shelved, pour order 108): 0,25 60,25 60,65 0,65
GND on L2_GND "NONET_L-01_P-001" (solid, remove dead copper, shelved, pour order 107): 0,25 60,25 60,65 0,65

## Keep-outs
Keep-Out Layer:
  lines w0.05: 0.028,30.025 ccw(c5.028,30.025) 5.028,25.025 55.028,25.025 ccw(c55.028,30.025) 60.028,30.025 60.028,60.025 ccw(c55.028,60.025) 55.028,65.025 5.028,65.025 ccw(c5.028,60.025) 0.028,60.025 0.028,30.025

## Other copper
BOTTOM:
  pour cut-out: 21.296,48.676 21.296,48.32 21.754,48.32 21.754,48.676
  pour cut-out: 28.434,41.767 28.434,41.513 28.739,41.513 28.739,41.767 28.408,41.767
  pour cut-out: 29.043,41.056 29.043,40.802 29.348,40.802 29.348,41.056 29.018,41.056
  pour cut-out: 27.824,43.164 27.824,42.91 28.129,42.91 28.129,43.164 27.799,43.164
  pour cut-out: 27.799,44.155 27.799,43.901 28.104,43.901 28.104,44.155 27.773,44.155
  pour cut-out: 27.824,46.136 27.824,45.882 28.129,45.882 28.129,46.136 27.799,46.136
  pour cut-out: 26.326,47.177 26.326,46.923 26.63,46.923 26.63,47.177 26.3,47.177
  pour cut-out: 26.376,48.981 26.376,48.727 26.681,48.727 26.681,48.981 26.351,48.981
  pour cut-out: 25.36,44.841 25.36,44.587 25.665,44.587 25.665,44.841 25.335,44.841
  pour cut-out: 24.446,44.841 24.446,44.587 24.751,44.587 24.751,44.841 24.421,44.841
  pour cut-out: 23.151,42.885 23.151,42.631 23.455,42.631 23.455,42.885 23.125,42.885
  pour cut-out: 22.82,42.605 22.82,42.351 23.125,42.351 23.125,42.605 22.795,42.605
  pour cut-out: 22.211,43.113 22.211,42.859 22.516,42.859 22.516,43.113 22.185,43.113
  pour cut-out: 22.058,46.111 22.058,45.857 22.363,45.857 22.363,46.111 22.033,46.111
  pour cut-out: 22.211,47.177 22.211,46.923 22.516,46.923 22.516,47.177 22.185,47.177
  pour cut-out: 23.455,47.203 23.455,46.898 23.76,46.898 23.76,47.203
  pour cut-out: 23.379,46.238 23.379,45.78 23.786,45.78 23.786,46.238
  pour cut-out: 26.376,44.256 26.376,43.799 26.783,43.799 26.783,44.256
  pour cut-out: 26.351,46.263 26.351,45.806 26.757,45.806 26.757,46.263
  pour cut-out: 28.84,51.419 28.84,50.962 29.196,50.962 29.196,51.419
  pour cut-out: 26.402,50.048 26.402,49.794 26.707,49.794 26.707,50.048
  pour cut-out: 22.008,44.129 22.008,43.85 22.287,43.85 22.287,44.129
  pour cut-out: 23.379,44.231 23.379,43.825 23.735,43.825 23.735,44.231
  pour cut-out: 22.16,45.222 22.16,44.79 22.516,44.79 22.516,45.222
  pour cut-out: 20.788,44.866 21.068,44.866 21.068,45.171 20.788,45.171
  pour cut-out: 20.839,42.275 20.839,41.767 21.119,41.767 21.119,42.275
  pour cut-out: 25.157,41.437 25.157,41.208 25.691,41.208 25.691,41.437
  pour cut-out: 24.421,41.462 24.421,41.183 24.751,41.183 24.751,41.462
  pour cut-out: 26.961,42.199 26.961,41.869 27.443,41.869 27.443,42.199
  pour cut-out: 30.72,46.136 30.72,45.831 31.025,45.831 31.025,46.136
  pour cut-out: 26.351,49.413 26.351,49.311 26.732,49.311 26.732,49.413
  pour cut-out: 30.364,50.53 30.364,50.251 30.669,50.251 30.669,50.53

## Silkscreen, mask and mechanical layers (free items; w line width, h text height)
Top Overlay:
  lines w0.127: 5.055,35.16 5.029,35.16 ; 5.613,34.576 5.029,35.16 ; 5.613,35.744 5.029,35.16 ; 6.96,35.16 5.029,35.16
  text "eMMC" at 36.107,62.05 h1
  text "STATUS" at 54.739,55.377 h1
  text "LPDDR4" at 2.75,52.769 h1
  text "i.MX 8M PLUS" at 26.25,52.769 h1
  text "PMIC" at 51.875,34.069 h1
  text "DASHCAM V2.0" at 6.612,25.915 h1